# Altium PCB 2-quilter-output.PcbDoc (part 7 of 26)
Units mil, origin at the board's own origin, x right, y up, seen from the top; angles counter-clockwise.
Board outline 4130.55 x 4250 mil, 8 copper layers (L1, Ground L2, L3, Power L4, Ground L5, L6, Ground L7, L8), stack 62.985 mil thick; 591 components, 494 nets, 2245 pads, 1508 vias.
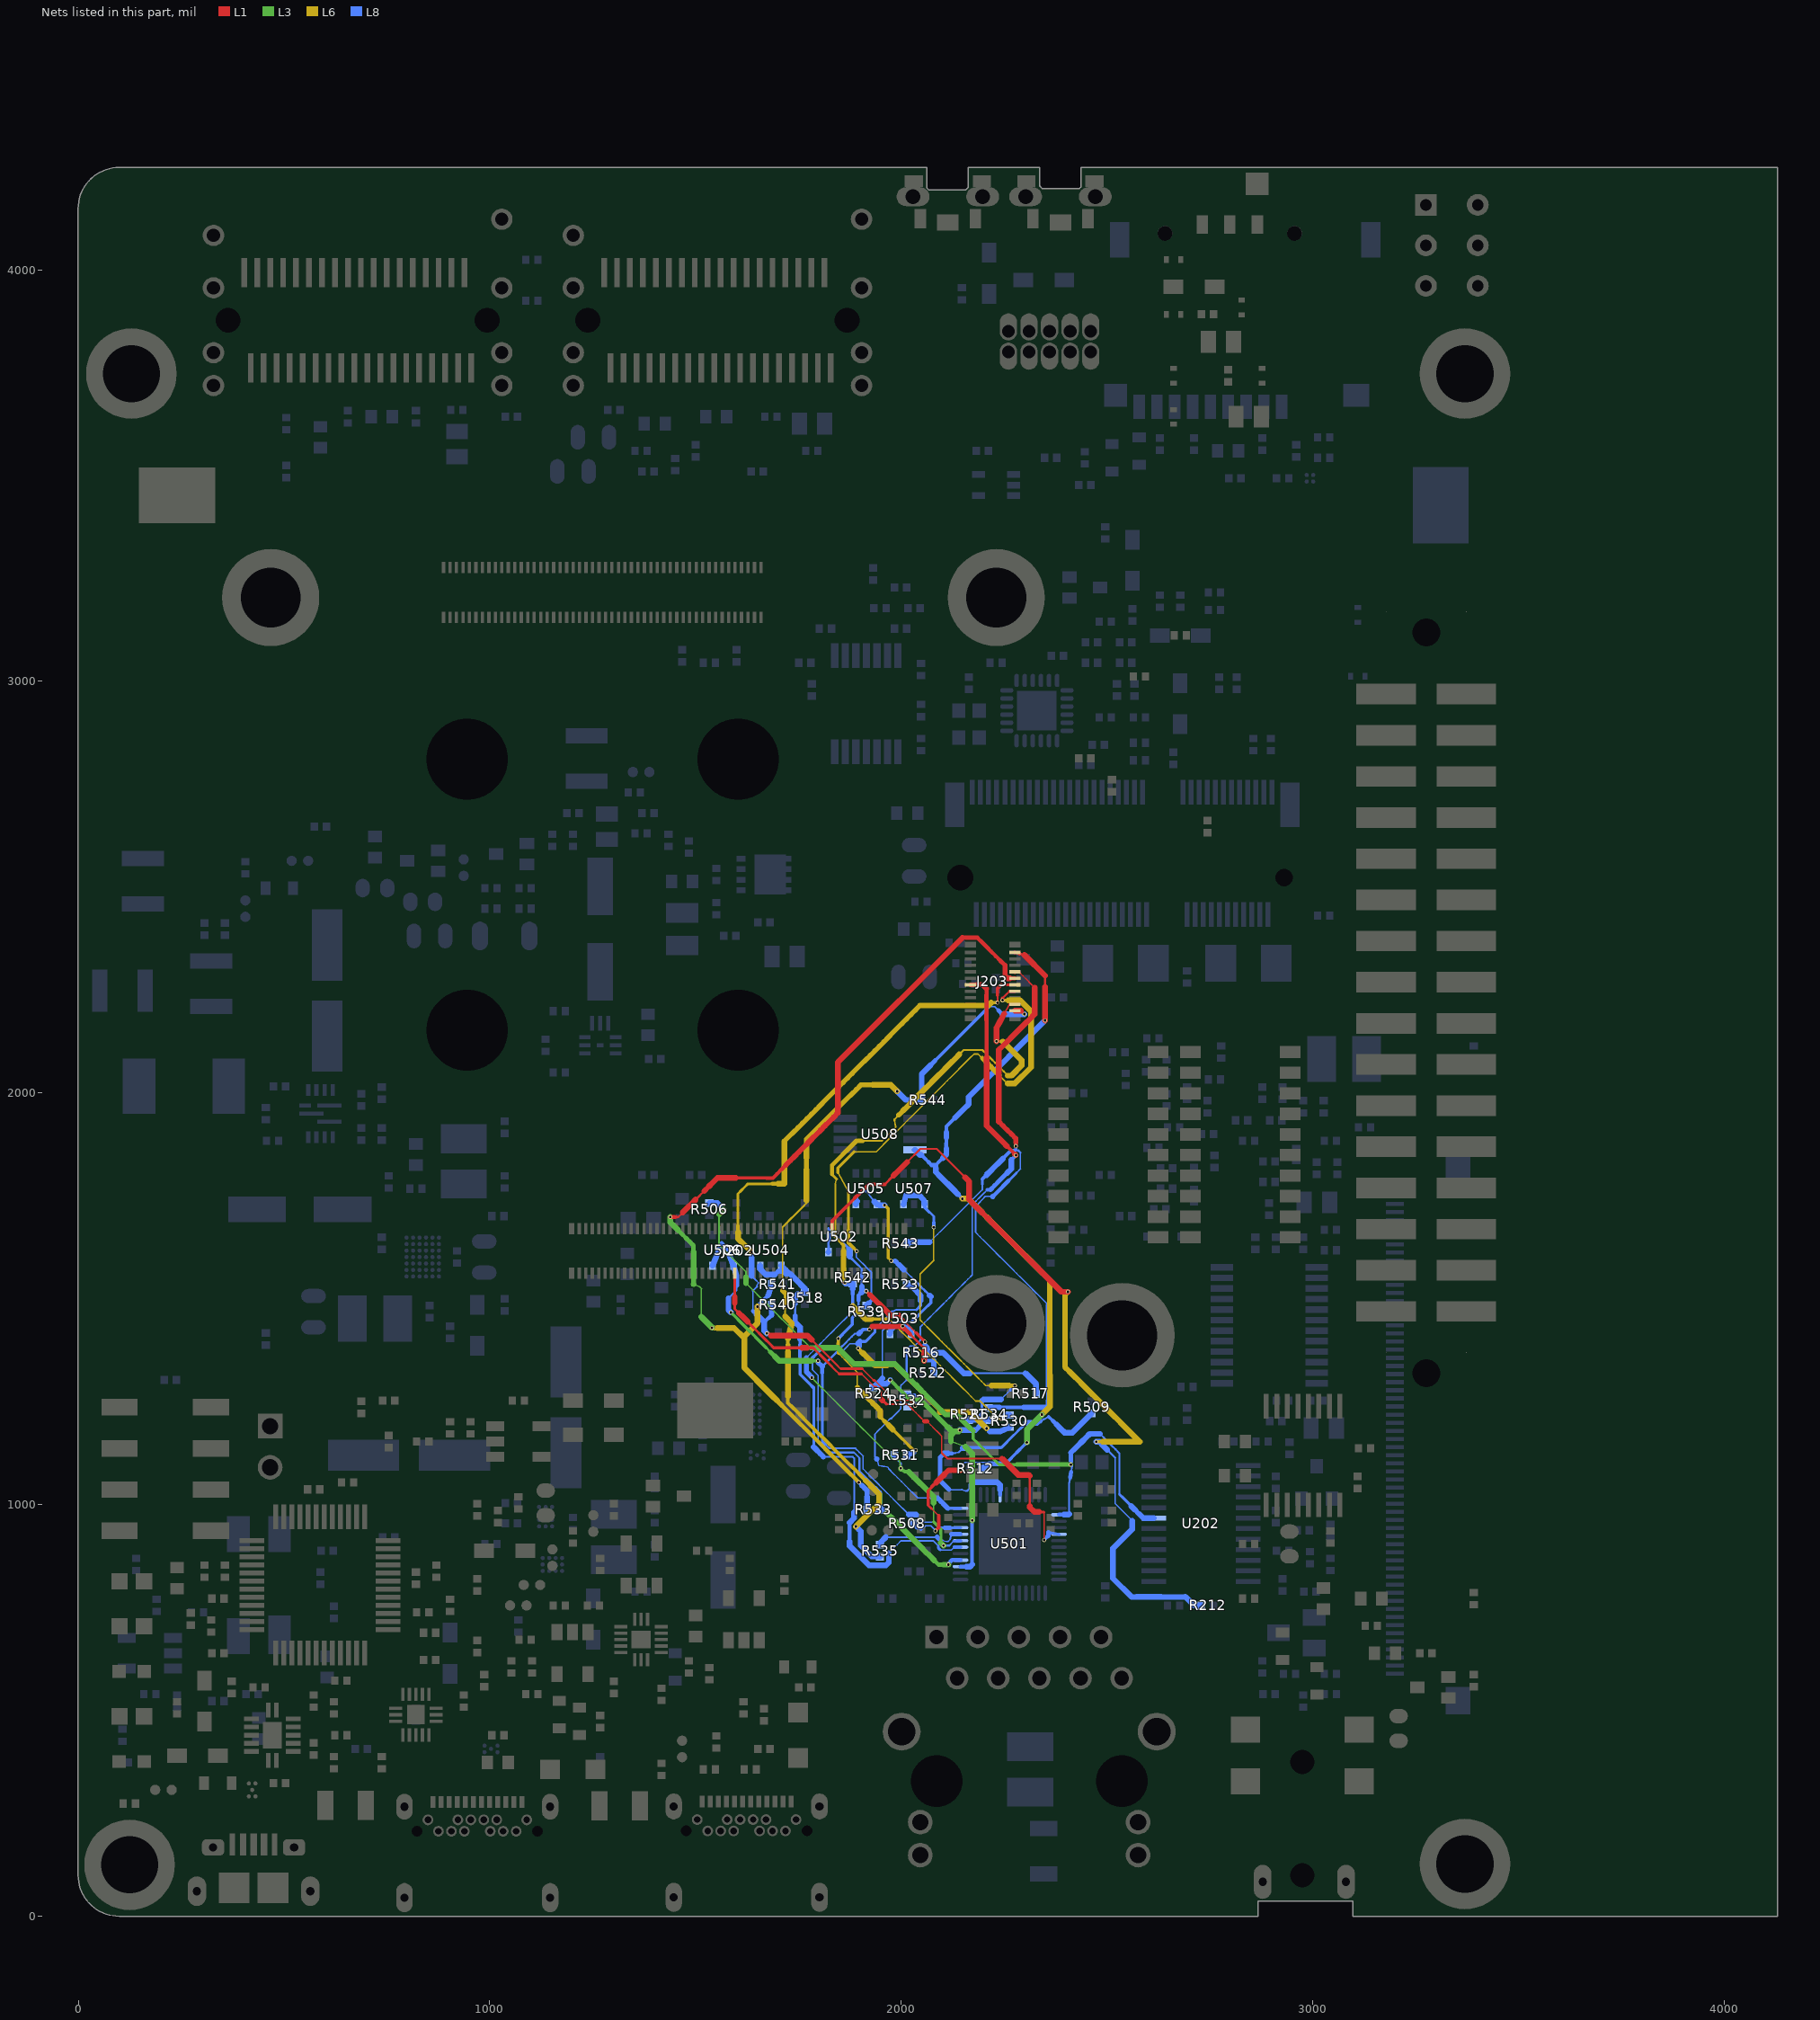
[diagram p13: the nets of this part, all layers, seen from the top]

## Via types
v1: diameter 9.85, hole 5.91, L1 to L8, tented both sides, 1508 vias

## Nets (pads, with @x,y where several pads share a name; then routed paths per layer and width w, separated by ;. In a path a pad name is that pad's centre, name@x,y a point inside that pad or via, vN(x,y) a via of type N, cw(c..) or ccw(c..) an arc to the next point about the centre after c; other vN are vias at no path point) (continued)
ENET_MDIO: J203.20 R508.2 R512.1 U508.4 | length 2055.1
  L1 w3.83: 2074.22,989.3 2082.76,980.76 2091.3,972.22
  L1 w5.87: 2065.67,997.84 2074.22,989.3 ; J203.20@2288.29,2337.85 2300.14,2334.57 ; 2350.1,2257.52 2350.1,2271.06 2350.1,2284.61
  L1 w7.92: 2065.67,997.84 2065.67,1009.56 2065.67,1021.28 2065.67,1033 2075.68,1043 ; v1(2083.22,935.18) 2091.3,943.26 ; J203.20@2276.44,2341.14 J203.20@2288.29,2337.85
  L1 w8.94: 2075.68,1043 2085.68,1053.01 ; 2091.3,943.26 2091.3,957.74 2091.3,972.22
  L1 w13.03: 2105.68,1073.01 2115.68,1083.01 2130.29,1083.01 v1(2144.9,1083.01)
  L1 w14.05: 2085.68,1053.01 2095.68,1063.01 2105.68,1073.01 ; 2300.14,2334.57 2350.1,2284.61 ; v1(2350.1,2175.88) 2350.1,2189.79 2350.1,2203.34 2350.1,2216.88 2350.1,2230.43 2350.1,2243.97 2350.1,2257.52
  L3 w14.05: v1(2305.83,1150.31) 2305.83,1181.66 v1(2342.15,1217.98)
  L6 w13.03: 2196.41,1709.55 2207.44,1698.53 ; 2350.74,1555.23 2361.76,1544.2 2361.76,1528.87 2361.76,1513.54 2361.76,1498.21 2361.76,1482.88 2361.76,1467.55 2361.76,1452.22 2361.76,1436.89 2361.76,1421.56 2361.76,1406.23 2361.76,1390.9 2361.76,1375.57 2361.76,1360.24 2361.76,1344.91 2361.76,1329.57 2361.76,1314.24
  L6 w14.05: v1(2149.1,1742.62) 2163.34,1742.62 2174.37,1731.6 2185.39,1720.58 2196.41,1709.55 ; 2207.44,1698.53 2218.46,1687.51 2229.48,1676.48 2240.51,1665.46 2251.53,1654.44 2262.55,1643.41 2273.58,1632.39 2284.6,1621.37 2295.62,1610.34 2306.65,1599.32 2317.67,1588.3 2328.69,1577.27 2339.72,1566.25 2350.74,1555.23 ; v1(2342.15,1217.98) 2361.76,1237.59 2361.76,1252.92 2361.76,1268.25 2361.76,1283.58 2361.76,1298.91 2361.76,1314.24
  L8 w3.5: v1(2144.9,1083.01) 2148.38,1091.01 2151.86,1099 2154.87,1102.01 2169.34,1102.01 2183.82,1102.01 2198.29,1102.01 2212.77,1102.01
  L8 w3.83: 2039.15,945.29 2048.39,937.2 2059.04,947.85 2072.49,947.85 v1@2083.22,937.12
  L8 w4.85: 2212.77,1102.01 2217.73,1098.03
  L8 w5.87: v1(2083.22,935.18) v1@2083.22,937.12
  L8 w7.92: 2049.75,1848.68 2057.87,1840.55 2066,1832.43 ; 2084.21,1824.31 2092.84,1832.94 ; 2241.61,1098.03 2253.55,1098.03 2264.01,1108.49 2274.47,1118.95 2284.92,1129.4 2295.38,1139.86 v1(2305.83,1150.31)
  L8 w8.94: 2092.84,1832.94 2101.48,1841.58 ; 2110.11,1877.36 2110.11,1890.94 ; 2110.11,1904.51 2110.11,1918.08 2120.89,1928.86 2131.67,1939.64 ; 2138.28,1753.44 v1(2149.1,1742.62)
  L8 w9.96: 2066,1832.43 2074.12,1824.31 ; 2110.11,1863.79 2110.11,1877.36
  L8 w10.99: 2074.12,1824.31 2084.21,1824.31
  L8 w12.01: 2084.21,1815.91 2084.21,1824.31 ; 2214.09,1097.41 2214.71,1098.03 2217.73,1098.03 2229.67,1098.03 2241.61,1098.03
  L8 w13.03: 2110.11,1890.94 2110.11,1904.51
  L8 w14.05: R508.2@2029.9,953.38 2039.15,945.29 ; U508.4@2033.44,1861.28 2046.74,1848.68 2049.75,1848.68 ; 2084.21,1815.91 2084.21,1807.51 2095.02,1796.7 2105.84,1785.88 2116.65,1775.07 2127.47,1764.25 2138.28,1753.44 ; 2101.48,1841.58 2110.11,1850.21 2110.11,1863.79 ; 2131.67,1939.64 2142.45,1950.42 2153.22,1961.19 2164,1971.97 ; 2164.01,1971.98 2164.01,1989.79 2169.82,1995.61 ; 2169.83,1995.61 v1(2350.1,2175.88) ; R512.1@2195.78,1086.19 2214.09,1097.41
ENET_NINT: J202.50 U501.5 | length 1239
  L1 w3.5: 1903.61,1316.98 1913.99,1306.59 1924.38,1296.2 1934.77,1285.82 1939.89,1285.82 1946.2,1279.51 1952.5,1273.21 1952.5,1263.17 1952.5,1254.9 ; 2015.16,1243.37 2025.52,1233.01 2035.88,1222.65 2046.25,1212.29 2056.61,1201.92 ; 2062.76,1201.91 2071.78,1192.89 2080.81,1183.86 2089.83,1174.84 2098.86,1165.81 2098.86,1152.39 2098.86,1138.96 2098.86,1125.54 ; v1(2347.65,913.18) 2347.65,921.43 2347.65,929.68 2347.65,942.43 2347.65,955.18 2347.65,967.93 2347.65,980.68
  L1 w3.83: 1964.04,1243.37 1976.82,1243.37 1989.6,1243.37 2002.38,1243.37 2015.16,1243.37 ; 2098.86,1125.52 2099.21,1124.38
  L1 w4.85: 1828.47,1338.12 1839.04,1327.55 1849.61,1316.98 ; 2099.21,1124.38 2105.95,1117.64 2112.69,1110.9 2113.87,1110.9 2128.49,1110.9 2143.12,1110.9 2157.75,1110.9 2172.38,1110.9 2187.01,1110.9 2201.64,1110.9 2216.27,1110.9 2230.9,1110.9 2245.53,1110.9 ; 2346.91,981.42 2347.65,980.68
  L1 w5.87: 2312.89,996 2312.89,1010.58 2312.89,1025.15 2312.89,1039.73 2312.89,1054.3 2312.89,1068.88
  L1 w6.9: 1595.77,1489.38 1595.77,1474.87 1606.26,1464.38 ; 1595.77,1503.89 1595.77,1518.4 1595.77,1532.91 1595.77,1547.42 J202.50@1595.76,1561.94 ; 1627.25,1443.39 1637.75,1432.89 1648.24,1422.4 1658.74,1411.9 1669.23,1401.41 1679.73,1390.91 1690.22,1380.42 1703.93,1380.42 1717.64,1380.42 1731.35,1380.42 1745.05,1380.42 1758.76,1380.42 ; 1772.47,1380.42 1786.17,1380.42 1796.75,1369.84 1807.32,1359.27 1817.89,1348.7 1828.47,1338.12 ; 1849.61,1316.98 1863.11,1316.98 1876.61,1316.98 1890.11,1316.98 1903.61,1316.98 ; 1954.67,1252.74 1964.04,1243.37 ; 2335.57,981.42 2346.91,981.42
  L1 w10.99: 2056.61,1201.92 2062.74,1201.92
  L1 w14.05: 1595.77,1489.38 1595.77,1503.89 ; 1606.26,1464.38 1616.76,1453.88 1627.25,1443.39 ; 1758.76,1380.42 1772.47,1380.42 ; 1952.5,1254.9 1954.66,1252.74 ; 2245.53,1110.9 2284.82,1071.61 2310.16,1071.61 2312.89,1068.88 ; 2312.89,996 2312.89,992.76 2324.23,981.42 2335.57,981.42
  L8 w7.92: v1(2347.65,913.18) 2356.13,921.66 ; 2358.13,931.54 2370.89,929.43 U501.5@2383.64,927.33
  L8 w10.99: 2356.13,921.66 2358.13,923.66 2358.13,931.54
ENET_NRST: R506.2 U202.19 U501.2 | length 1778.4
  L3 w3.5: 1622.98,1537.53 1633.46,1527.05 1643.94,1516.57 1654.43,1506.09 1664.91,1495.6 1675.39,1485.12 1685.88,1474.64 1696.36,1464.15 1706.84,1453.67 1717.32,1443.19 1727.81,1432.71 1738.29,1422.22 1748.77,1411.74 1759.26,1401.26 1769.74,1390.77 1780.22,1380.29
  L3 w3.83: 1557.69,1630.52 1568.57,1619.64 1579.45,1608.76 1590.33,1597.88 1601.21,1587 1612.09,1576.12 1622.97,1565.24 1622.97,1551.39 ; 1557.69,1645.4 1557.69,1660.27 ; 1557.69,1675.15 1557.69,1690.02 1557.69,1704.9
  L3 w4.85: 1557.69,1630.52 1557.69,1645.4
  L3 w5.87: 1557.69,1660.27 1557.69,1675.15
  L3 w6.9: 2175.31,1168.47 2175.31,1159.17 2185.77,1148.71 2196.24,1138.24 2206.71,1127.77 2217.17,1117.31 2227.64,1106.84 2238.11,1096.37 2252.65,1096.37 2267.19,1096.37 2281.72,1096.37
  L3 w7.92: 2175.31,1168.47 2175.31,1177.76
  L3 w10.99: 2281.72,1096.37 2296.26,1096.37 2310.8,1096.37 2325.34,1096.37 2339.88,1096.37 2354.42,1096.37 2368.96,1096.37 2383.5,1096.37 2398.03,1096.37 v1(2412.57,1096.37)
  L3 w12.01: 2055.5,1270.23 2065.92,1259.81 2076.34,1249.39 2086.76,1238.96 2097.19,1228.54 ; 2121.49,1217.7 2135.36,1217.7 2145.34,1207.72 2155.33,1197.73 2165.31,1187.75 2175.31,1177.76
  L3 w13.03: 1780.22,1380.29 1793.4,1380.29 ; 2014.72,1311.01 2024.68,1301.04 2034.65,1291.08 ; 2045.07,1280.66 2055.5,1270.23 ; 2097.19,1228.54 2108.01,1217.72 2121.49,1217.7
  L3 w14.05: 1557.69,1704.9 1568.53,1715.74 v1(1568.53,1716.57) ; 1622.97,1537.54 1622.97,1551.39 ; 1793.4,1380.29 1806.58,1380.29 1819.77,1380.29 1832.95,1380.29 1846.13,1380.29 1885.51,1340.91 1984.81,1340.91 1994.79,1330.94 2004.75,1320.97 2014.72,1311.01 ; 2034.65,1291.08 2045.07,1280.66
  L8 w3.5: 2408.5,976.44 2408.5,989.69 2408.5,1004.78 2408.5,1019.88 2408.5,1034.98 2408.5,1050.07
  L8 w3.83: 2413.49,1079.09 v1@2415.98,1093.59 ; 2413.72,1102.72 v1@2415.98,1093.59 ; v1@2415.35,1093.59 v1@2415.98,1093.59
  L8 w4.85: 2408.5,1050.07 2410.99,1064.58 ; v1(2412.57,1096.37) v1@2415.35,1093.59 ; 2483.35,1171.19 2492.83,1161.71 2502.3,1152.24 2511.78,1142.76 2521.25,1133.29 2530.73,1123.81 2530.73,1109.64 2530.73,1095.46 2530.73,1081.29 2530.73,1067.12 2530.73,1052.94 2530.73,1038.77 2530.73,1024.59
  L8 w6.9: 2530.73,1024.59 2540.21,1015.11 2549.7,1005.62 2559.18,996.14
  L8 w7.92: 2412.52,1105.62 2413.72,1102.72
  L8 w9.96: U501.2@2383.64,974.58 U501.2@2396.07,974.59 ; 2410.99,1064.58 2413.49,1079.09
  L8 w10.99: 1560.91,1724.19 v1(1568.53,1716.57) ; 2412.52,1105.62 2412.52,1115.37 2412.52,1125.12
  L8 w12.01: 2568.67,986.65 2578.15,977.17 2580.53,974.79
  L8 w13.03: 2412.52,1125.12 2421.74,1134.33
  L8 w14.05: R506.2@1534.07,1731.81 1553.29,1731.81 1560.91,1724.19 ; U501.2@2396.07,974.59 2406.65,974.59 2408.5,976.44 ; 2421.74,1134.33 2430.95,1143.55 2440.17,1152.76 2449.38,1161.98 2458.6,1171.19 2483.35,1171.19 ; 2559.18,996.14 2568.67,986.65 ; 2580.53,974.79 2588.96,966.36 U202.19@2614.25,966.36
ENET_NRST_LV: J202.79 R212.1 | length 2016.8
  L1 w4.85: 1960.54,1777.44 1971.32,1788.23 ; 2014.46,1831.37 2025.25,1842.16 2036.04,1852.94 2046.82,1863.73 2060.09,1863.73 2073.36,1863.73 2086.63,1863.73 2096.49,1853.87 2106.35,1844.01 2116.2,1834.16 2126.06,1824.3 2135.91,1814.44 2145.77,1804.59 2155.63,1794.73
  L1 w6.9: 1971.32,1788.23 1982.11,1799.01
  L1 w7.92: 1832.49,1688.85 1843.57,1699.92 ; 1865.72,1722.07 1876.79,1733.15 1887.86,1744.22 ; 1898.94,1755.29 1910.01,1766.37
  L1 w8.94: J202.79@1832.49,1679.68 1832.49,1688.85 ; 1843.57,1699.92 1854.64,1711 1865.72,1722.07 ; 1887.86,1744.22 1898.94,1755.29 ; 1910.01,1766.37 1921.09,1777.44 1934.24,1777.44 1947.39,1777.44 1960.54,1777.44
  L1 w9.96: J202.79@1831.98,1669.64 1832.49,1670.5 J202.79@1832.49,1679.68
  L1 w13.03: 2198.53,1707.44 2209.55,1696.42 ; 2242.6,1663.37 2253.62,1652.35
  L1 w14.05: 1982.11,1799.01 1992.89,1809.8 2003.68,1820.58 2014.46,1831.37 ; 2155.63,1794.73 2165.48,1784.88 2165.48,1740.49 2176.5,1729.47 2187.52,1718.45 2198.53,1707.44 ; 2209.55,1696.42 2220.57,1685.4 2231.59,1674.39 2242.6,1663.37 ; 2253.62,1652.35 2264.64,1641.33 2275.65,1630.32 2286.67,1619.3 2297.69,1608.28 2308.7,1597.27 2319.72,1586.25 2330.74,1575.23 2389.63,1516.35 v1(2405.35,1516.33)
  L6 w7.92: v1(2474.5,1151.85) 2489.59,1151.85
  L6 w13.03: v1(2405.35,1516.33) 2398.39,1509.37 2398.39,1494.73 2398.39,1480.08 2398.39,1465.43 2398.39,1450.78 2398.39,1436.14 2398.39,1421.49 2398.39,1406.84 2398.39,1392.19 2398.39,1377.55 2398.39,1362.9 2398.39,1348.25 2398.39,1333.6 2409.08,1322.91
  L6 w14.05: 2409.08,1322.91 2419.77,1312.22 2430.46,1301.53 2441.15,1290.84 2451.84,1280.15 2462.53,1269.46 2473.22,1258.77 2483.91,1248.08 2494.6,1237.39 2505.3,1226.7 2515.99,1216.01 2526.68,1205.32 2537.37,1194.63 2548.06,1183.94 2558.75,1173.25 2569.44,1162.55 2580.13,1151.86 ; 2489.59,1151.85 2504.68,1151.85 2519.77,1151.85 2534.86,1151.85 2549.95,1151.85 2565.03,1151.85 2580.12,1151.85
  L8 w3.5: 2520.39,1113.31 2520.39,1099.35 2520.39,1085.39 2520.39,1071.43 2520.39,1057.47 2520.39,1043.51 2520.39,1029.55 2520.39,1015.59 2520.39,1001.63 2530.76,991.26 2541.13,980.89 2551.5,970.52 2561.87,960.15
  L8 w4.85: 2501.12,1132.58 2510.76,1122.95 2520.39,1113.31
  L8 w13.03: 2560.17,775.11 2573.08,775.11 ; 2632.1,775.11 2646.85,775.11 2661.61,775.11 2676.36,775.11 2691.12,775.11
  L8 w14.05: v1(2474.5,1151.85) 2481.85,1151.85 2491.48,1142.22 2501.12,1132.58 ; 2560.17,775.11 2515.21,820.08 2515.21,892.73 2561.88,939.4 2561.88,960.14 ; 2573.08,775.11 2587.84,775.11 2602.59,775.11 2617.35,775.11 2632.1,775.11 ; 2691.12,775.11 2712.06,754.17 R212.1@2730.28,754.16
ENET_RD0: J203.8 R531.1 R539.1 | length 1747.6
  L1 w4.85: 2246.71,2229.97 2255.05,2238.31 J203.8@2263.4,2246.65
  L1 w7.92: v1(2246.71,2225.04) 2246.71,2229.97 ; J203.8@2263.4,2246.65 J203.8@2276.44,2246.65
  L6 w3.5: 1846.46,1806.97 1852.86,1794.91 1859.27,1782.85 1865.68,1770.78 1872.09,1758.72 ; 1847.32,1366.96 1856.54,1357.74 1865.76,1348.52 1874.98,1339.3 1884.2,1330.08 1893.42,1320.86 1893.42,1308.43 1893.42,1296.01 1893.42,1283.59 ; 1885.96,1856.79 1899.41,1856.79 1912.87,1856.79 1926.33,1856.79 1939.78,1856.79 1950.58,1867.58 1961.37,1878.38 1972.17,1889.17 1982.96,1899.97 1993.76,1910.76 2004.55,1921.56 2015.35,1932.35 2026.14,1943.14 2036.93,1953.94 2047.73,1964.73 2058.52,1975.53 2069.32,1986.32 2080.11,1997.12 2090.91,2007.91 2101.7,2018.71 2112.5,2029.5 2123.29,2040.29 2134.08,2051.09 2144.88,2061.88 2155.67,2072.68 2166.47,2083.47 2177.26,2094.27
  L6 w3.83: 2177.26,2094.27 2187.02,2094.27 2197.3,2084 ; 2238.38,2042.91 2248.65,2032.64 2258.92,2022.37
  L6 w6.9: 1872.09,1666.27 1872.09,1681.68 1872.09,1697.09 1872.09,1712.5 1872.09,1727.91 1872.09,1743.31 1872.09,1758.72
  L6 w7.92: 1846.46,1806.97 1846.46,1817.29 1856.33,1827.16 1866.21,1837.04 1876.08,1846.91 1885.96,1856.79 ; 1847.32,1366.96 1847.32,1378.91 ; 1847.32,1390.86 v1(1847.32,1402.8) ; 1872.09,1650.86 1872.09,1635.45 1882.11,1625.44 v1(1892.12,1615.42) ; 1949.4,1212.3 1959.62,1202.08 ; 1979.75,1181.95 1989.82,1171.88 1999.89,1161.81 2009.96,1151.74 2020.03,1141.67 2030.1,1131.6 v1(2035.69,1131.6) ; v1(2246.71,2225.04) 2260.8,2225.04
  L6 w8.94: 1847.32,1378.91 1847.32,1390.86 ; 1872.09,1650.86 1872.09,1666.27
  L6 w10.99: 1959.62,1202.08 1969.69,1192.01 ; 2197.3,2084 2207.57,2073.72
  L6 w12.01: 1912.13,1264.88 1921.49,1255.53 1930.84,1246.17
  L6 w13.03: 1893.42,1283.59 1902.78,1274.24 1912.13,1264.88 ; 1930.84,1246.17 1940.19,1236.82 1949.4,1227.61 1949.4,1212.3 ; 2207.57,2073.72 2217.84,2063.45 2228.11,2053.18 2238.38,2042.91
  L6 w14.05: 1969.69,1192.01 1979.75,1181.95 ; 2258.93,2022.36 2276.42,2022.36 2316,2061.94 2316,2198.01 2288.98,2225.04 2274.89,2225.04 2260.8,2225.04
  L8 w3.83: v1@1891.21,1614.51 1891.21,1600.51 1900.41,1591.31 1909.61,1582.11 1918.81,1572.91 1928.01,1563.71 1928.01,1550.01 1928.01,1536.3 ; 1899.47,1471.59 R539.1@1908.55,1480.66 ; 1928.01,1508.9 1928.01,1522.6
  L8 w4.85: 1928.01,1522.6 1928.01,1536.3
  L8 w6.9: 1881.32,1436.81 1881.32,1445.12 1881.32,1453.43 1890.4,1462.51 1899.47,1471.59 ; v1@1891.21,1614.51 v1(1892.12,1615.42) ; 1928.01,1495.2 1928.01,1508.9
  L8 w7.92: v1(1847.32,1402.8) 1854.6,1410.09 1861.89,1417.37 1871.6,1427.09 1881.32,1436.81 ; R539.1@1908.55,1480.66 R539.1@1915.61,1482.79
  L8 w8.94: R539.1@1921.8,1488.99 1928.01,1495.2 ; 2029.46,1125.38 v1(2035.69,1131.6)
  L8 w14.05: R539.1@1915.61,1482.79 R539.1@1921.8,1488.99 ; R531.1@2013.31,1119.4 2029.46,1125.38
ENET_RD0_BUFIN: R516.1 R517.1 R531.2 U501.31 U502.1 U502.3 | length 1712
  L1 w3.83: 2005.11,1447.97 2015.69,1437.38 2026.28,1426.8 2036.86,1416.21
  L1 w7.92: v1(1915.32,1518.05) 1925.24,1508.13 ; 1994.52,1458.55 2005.11,1447.97 ; 2036.86,1416.21 2047.45,1405.63 v1(2058.03,1395.04)
  L1 w13.03: 1935.15,1498.22 1945.07,1488.3
  L1 w14.05: 1925.24,1508.13 1935.15,1498.22 ; 1945.07,1488.3 1954.99,1478.38 1964.9,1468.47 1974.82,1458.55 1994.52,1458.55
  L3 w3.5: v1(1782.86,1307.56) 1794.01,1296.41 1805.16,1285.26 1816.3,1274.11 1827.45,1262.96 1838.6,1251.82 1849.75,1240.67 1860.89,1229.52 1872.04,1218.37 1883.19,1207.23 1894.34,1196.08 1905.49,1184.93 1916.63,1173.78 1927.78,1162.63 1938.93,1151.49 1950.08,1140.34 1961.22,1129.19 1972.37,1118.04 1983.53,1106.89 1995.79,1106.89 1997.7,1096.11 v1@1999.62,1085.32 ; 2079.1,957.39 2079.1,972.69 2079.1,987.99 2079.1,1003.3
  L3 w6.9: 2079.1,957.39 2087.97,948.53 2096.84,939.66 ; 2096.84,906.17 2096.84,917.33 2096.84,928.5
  L3 w7.92: 2096.84,928.5 2096.84,939.66
  L3 w8.94: v1@1999.62,1085.32 2009.99,1079.12 2018.58,1079.12
  L3 w10.99: v1(1999.25,1087.64) v1@1999.62,1087.28
  L3 w12.01: v1@1999.62,1085.32 v1@1999.62,1087.28
  L3 w14.05: 2018.58,1079.12 2079.1,1018.6 2079.1,1003.3 ; 2096.84,906.17 v1(2103.1,899.91)
  L8 w3.5: 1769.72,1356.26 1780.3,1366.84 1790.87,1377.42 1801.45,1387.99 1812.03,1398.57 1822.6,1409.15 1833.18,1419.72 1843.75,1430.3 1854.33,1440.87 1864.91,1451.45 1875.48,1462.03 1886.06,1472.6 1896.64,1483.18 ; R531.2@1983.81,1114.67 1991.53,1106.95 1999.25,1099.23 ; 2117.23,899.91 U501.31@2127.71,910.39
  L8 w3.83: 2167.37,1318.48 2182.36,1318.48 2197.36,1318.48 2212.35,1318.48 2227.35,1318.48 2242.35,1318.48 2257.34,1318.48 2272.34,1318.48 2287.33,1318.48 2302.33,1318.48
  L8 w4.85: 1823.67,1656.48 1823.67,1670.96 1833.91,1660.73 1844.14,1650.49 1854.38,1640.26 1864.61,1630.03 ; 1895.3,1581.63 1904.45,1572.49
  L8 w5.87: 1823.67,1627.52 1823.67,1642 ; 1880.5,1596.43 1886.15,1590.78 1895.3,1581.63 ; 1896.64,1483.18 1896.64,1495.43 ; 1904.45,1529.73 1904.45,1543.98 ; 1904.45,1558.24 1904.45,1572.49 ; v1(1999.25,1087.64) 1999.25,1099.23 ; v1(2103.1,899.91) 2117.23,899.91 ; U501.31@2127.71,910.4 U501.31@2136.08,910.99
  L8 w6.9: U502.3@1823.65,1613.02 1823.67,1627.52 ; 1864.61,1630.03 U502.1@1874.84,1619.79 ; 1904.45,1543.98 1904.45,1558.24
  L8 w7.92: 1874.85,1602.08 1880.5,1596.43
  L8 w8.94: v1(1782.86,1307.56) v1@1782.86,1309.26 ; 1896.64,1495.43 1896.64,1507.67 1903.03,1514.07 ; 2058.03,1385.6 v1(2058.03,1395.04) ; U501.31@2136.08,910.99 U501.31@2144.45,911.57
  L8 w10.99: 1769.72,1344.98 1769.72,1356.26 ; 1823.67,1642 1823.67,1656.48 ; 1907.01,1518.05 v1(1915.32,1518.05) ; R531.2@1983.8,1114.67 R531.2@1983.79,1119.4
  L8 w12.01: 1769.72,1344.98 1769.72,1333.69 1769.72,1322.4 1776.29,1315.83 v1@1782.86,1309.26
  L8 w13.03: 1904.45,1515.48 1904.45,1529.73
  L8 w14.05: 1874.84,1602.08 1874.84,1613.03 U502.1@1874.84,1619.79 ; 1904.45,1515.48 1903.03,1514.07 1907.01,1518.05 ; 2058.03,1385.6 2063.09,1380.55 R516.1@2063.08,1368.42 R516.1@2063.08,1368.42 2102.46,1368.4 2152.37,1318.48 2167.37,1318.48 ; 2302.33,1318.48 2328.48,1292.33 R517.1@2328.49,1268.81
ENET_RD1: J203.10 R532.1 R540.1 | length 1874.4
  L1 w3.5: 1905.76,1329.16 1916.83,1318.09 1927.9,1307.02 1933.44,1301.48 ; 1935.67,1301.48 1942.98,1294.17 1950.29,1286.86 1959.38,1277.77 1968.47,1268.68
  L1 w3.83: 1968.47,1268.68 1968.47,1256.2 1972.18,1252.48 1982.83,1252.48 1995.69,1252.48 2008.54,1252.48 2021.4,1252.48 2027.9,1245.98
  L1 w4.85: 1782.84,1399.54 1792.89,1389.48 1802.95,1379.43 1813,1369.37 1823.05,1359.32 1833.11,1349.27 1843.16,1339.21 1853.22,1329.16 ; v1(2234.57,2218.89) 2234.57,2228.07 2234.57,2237.24 ; 2243.5,2262.4 2254.48,2262.4
  L1 w5.87: 2254.48,2262.4 J203.10@2265.46,2262.4
  L1 w6.9: 1853.22,1329.16 1866.35,1329.16 1879.49,1329.16 1892.62,1329.16 1905.76,1329.16 ; 1933.44,1301.48 1935.67,1301.48 ; J203.10@2265.46,2262.4 J203.10@2276.44,2262.4
  L1 w7.92: v1(1673.98,1415.33) 1677.59,1415.33 1683.24,1409.68 ; 2027.9,1245.98 v1(2034.41,1239.47) ; 2234.57,2237.24 2234.57,2245.36 2234.57,2253.47 2243.5,2262.4
  L1 w14.05: 1683.24,1409.68 1772.69,1409.68 1782.84,1399.54
  L6 w6.9: 1603.44,1677.04 1603.44,1692.53 1603.44,1708.03 1603.44,1723.53 1603.44,1739.02 1603.44,1754.52 1611.54,1762.63 1619.65,1770.74 1627.76,1778.84 1642.5,1778.84 1657.24,1778.84 1671.98,1778.84 1686.72,1778.84
  L6 w7.92: 1603.44,1661.54 1603.44,1677.04 ; 2219.26,2218.89 v1(2234.57,2218.89)
  L6 w9.96: 1686.72,1778.84 1701.47,1778.84
  L6 w12.01: 1716.22,1882.2 1727.22,1893.19 1738.21,1904.19 1749.21,1915.18 1760.2,1926.18 1771.2,1937.17 1782.19,1948.17 1793.19,1959.17 1804.19,1970.16 1815.18,1981.16 1826.18,1992.15 1837.17,2003.15 1848.17,2014.14 1859.16,2025.14 1870.16,2036.13 1881.15,2047.13 1892.15,2058.12 1903.14,2069.12 1914.14,2080.11 1925.13,2091.11 1936.13,2102.1 1947.13,2113.1 1958.12,2124.1 1969.12,2135.09 1980.11,2146.09 1991.11,2157.08 2002.1,2168.08 2013.1,2179.07 2024.09,2190.07 2035.09,2201.06 2046.08,2212.06
  L6 w13.03: 1625.47,1624.01 v1(1636.48,1613)
  L6 w14.05: 1603.44,1661.54 1603.44,1646.04 1614.45,1635.03 1625.47,1624.01 ; 1701.47,1778.84 1716.21,1778.84 1716.22,1882.2 ; 2046.08,2212.06 2212.43,2212.06 2219.26,2218.89
  L8 w3.5: 1639.86,1470.23 1639.86,1482.42 1639.86,1494.61 1639.86,1506.8 1639.86,1518.98
  L8 w3.83: 1636.48,1555.24 1646.53,1545.19 1653.48,1538.08 1649.83,1531.88 ; 1649.82,1528.95 1649.82,1531.87
  L8 w4.85: 1639.86,1518.98 1649.82,1528.95
  L8 w8.94: 1667.6,1442.48 1677.9,1452.78 ; R532.1@2023.57,1264.44 2031.98,1261.91 ; v1(2034.41,1239.47) 2034.41,1249.48
  L8 w9.96: 1639.86,1470.23 1649.11,1460.98 ; 1677.9,1452.78 1685.2,1460.08 ; 2034.41,1249.48 2034.41,1259.48
  L8 w10.99: 1636.48,1598.56 v1(1636.48,1613) ; R532.1@2015.16,1266.97 R532.1@2023.57,1264.44
  L8 w14.05: 1636.48,1555.24 1636.48,1569.68 1636.48,1584.12 1636.48,1598.56 ; 1649.11,1460.98 1658.36,1451.73 1667.6,1442.49 1667.6,1421.71 v1(1673.98,1415.33) ; 1685.2,1460.08 R540.1@1685.2,1484.63 ; 2031.98,1261.91 2034.41,1259.48